# Altium PCB SoDeRa-PCIe_1v0.PcbDoc (part 1 of 8) (continued)
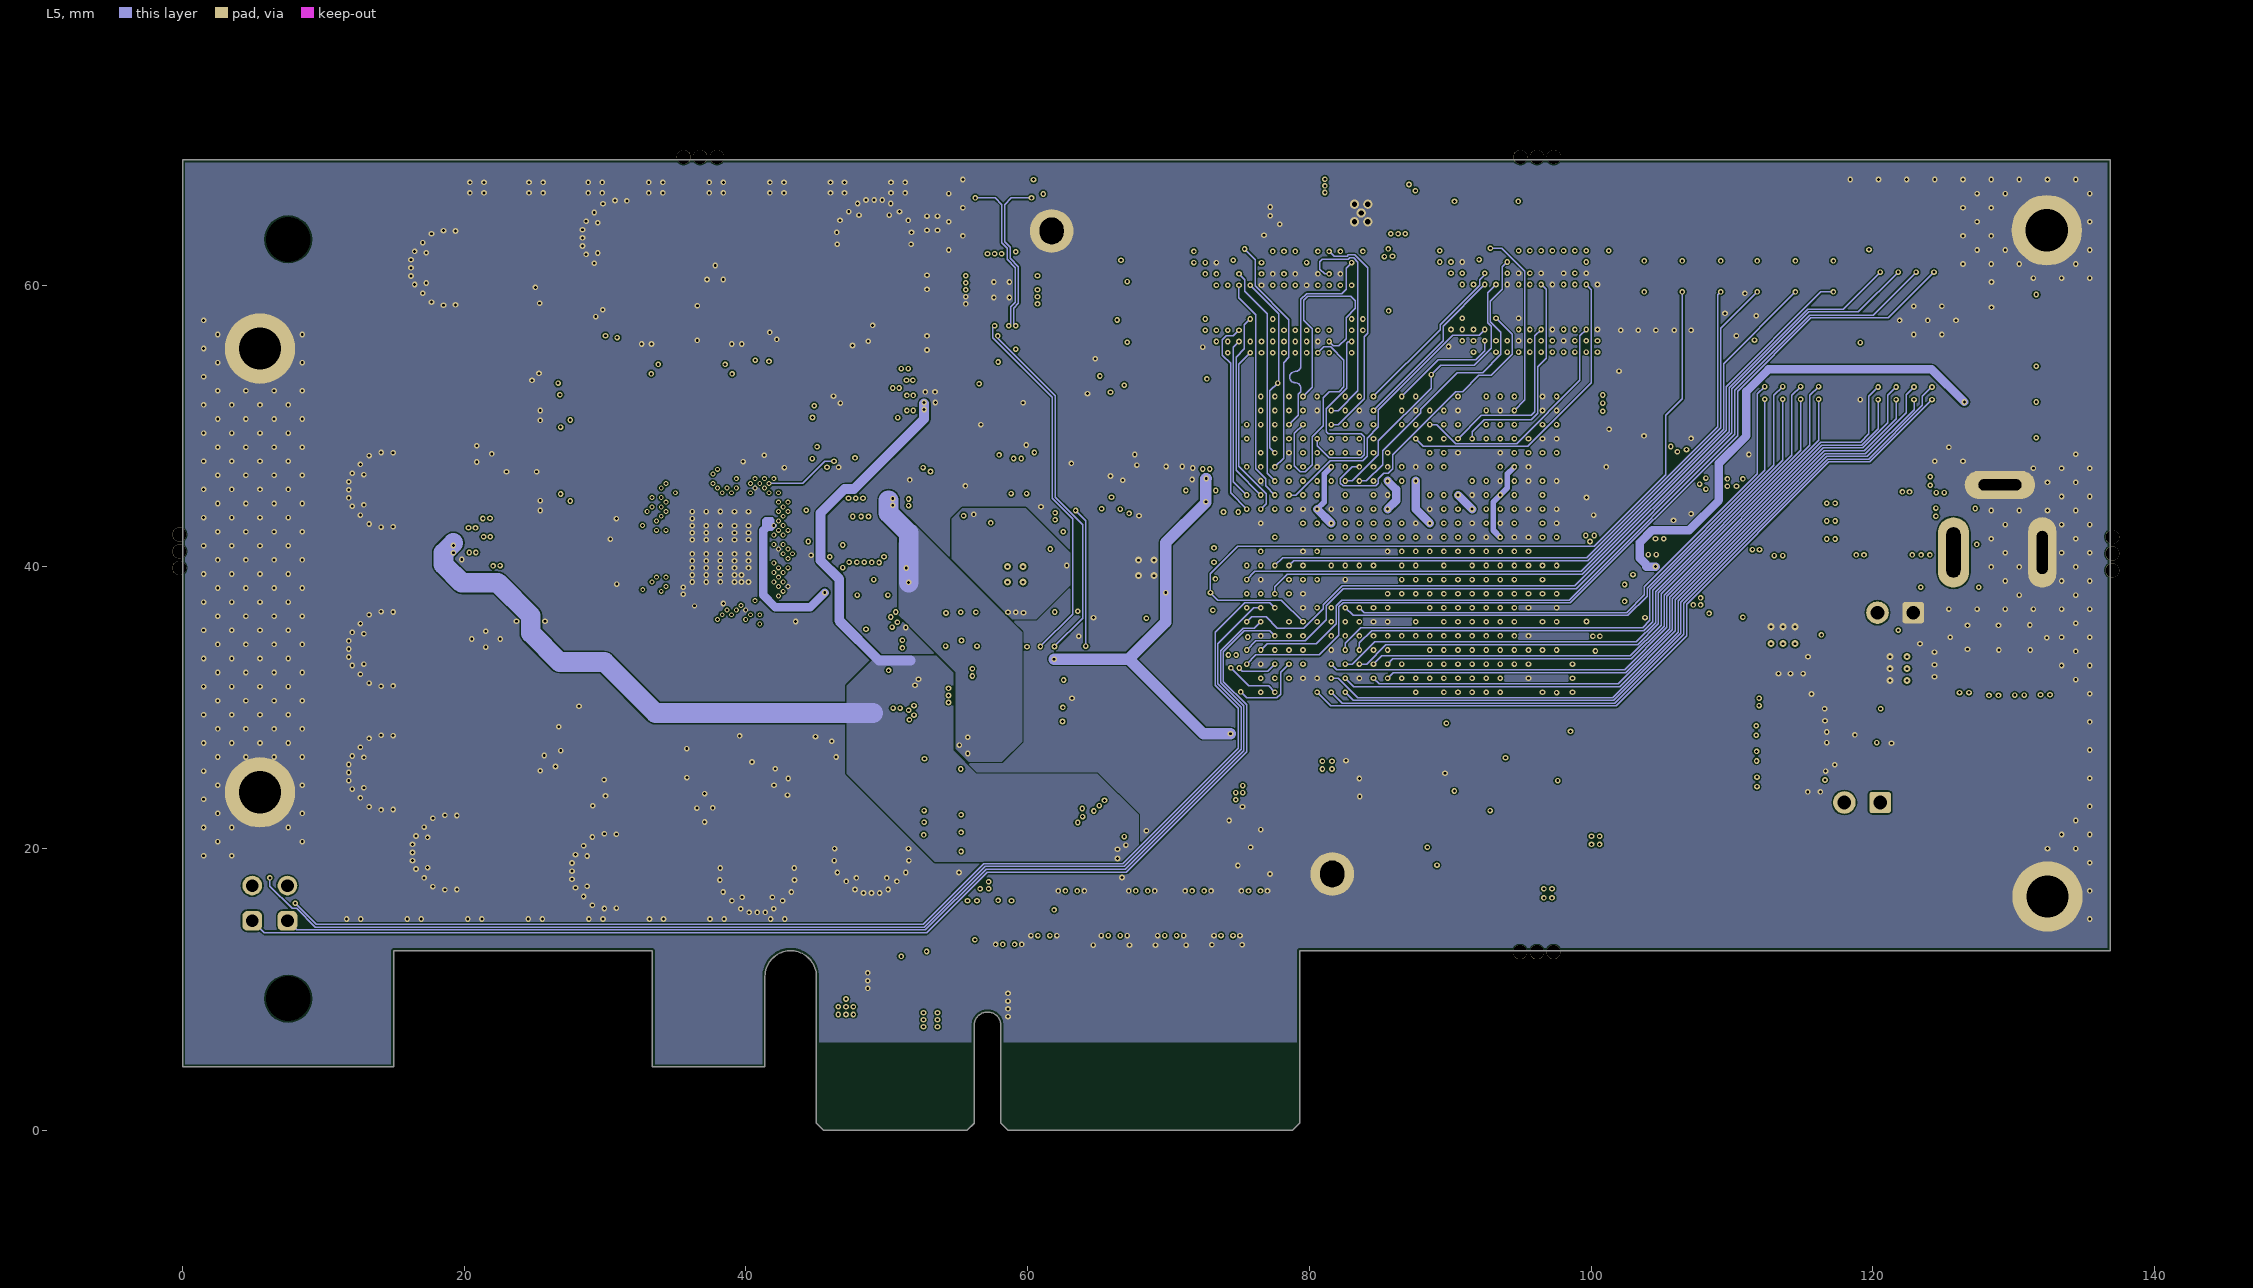
[diagram p5: L5]
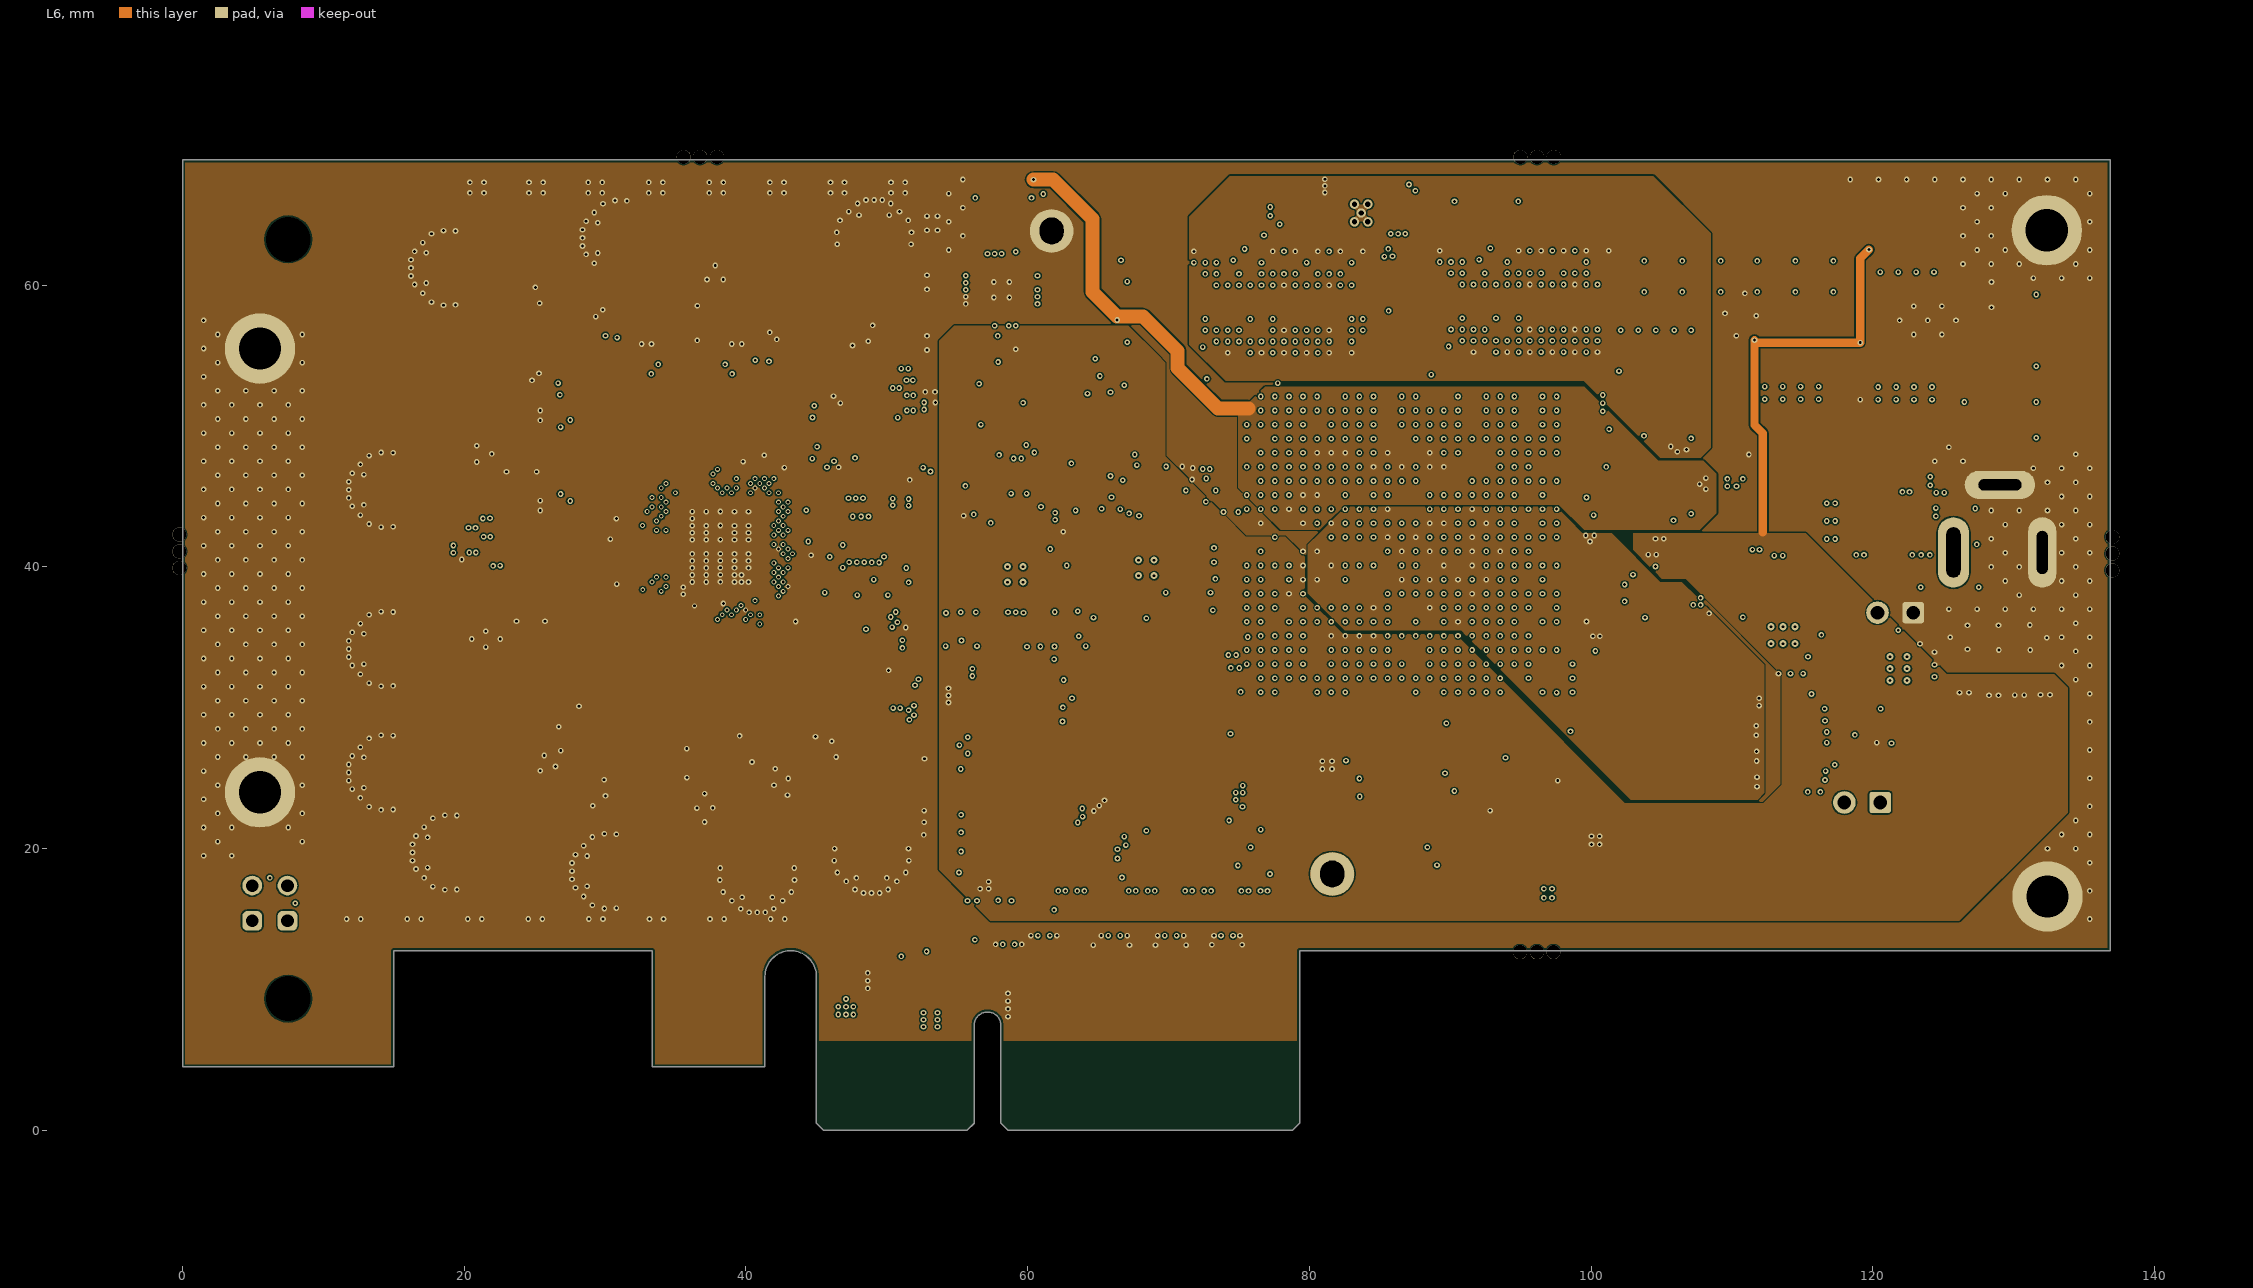
[diagram p6: L6]
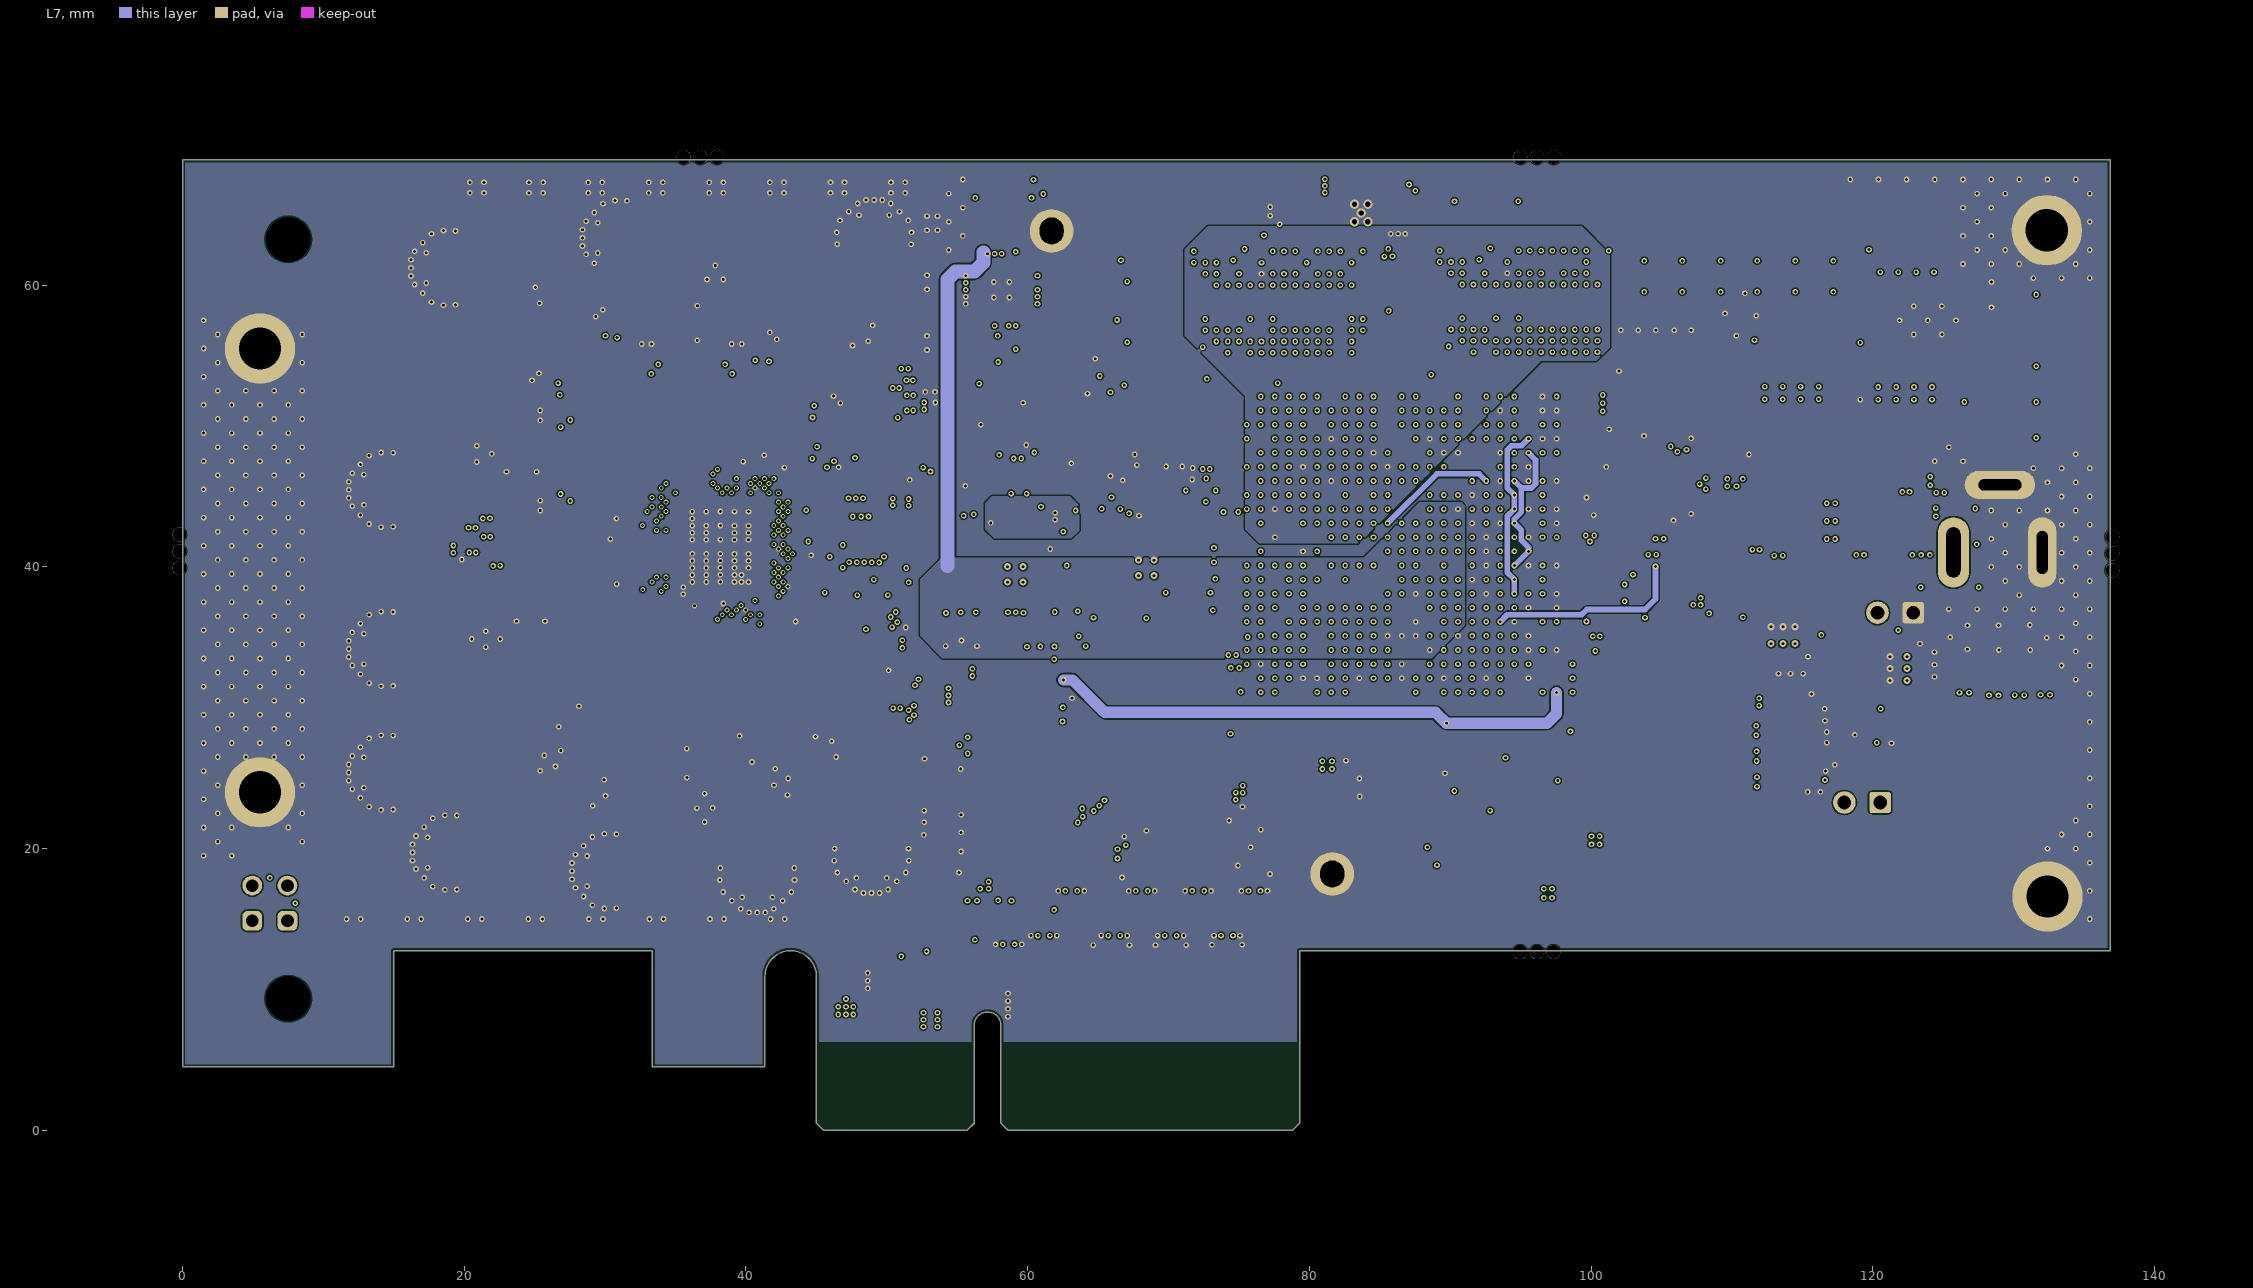
[diagram p7: L7]
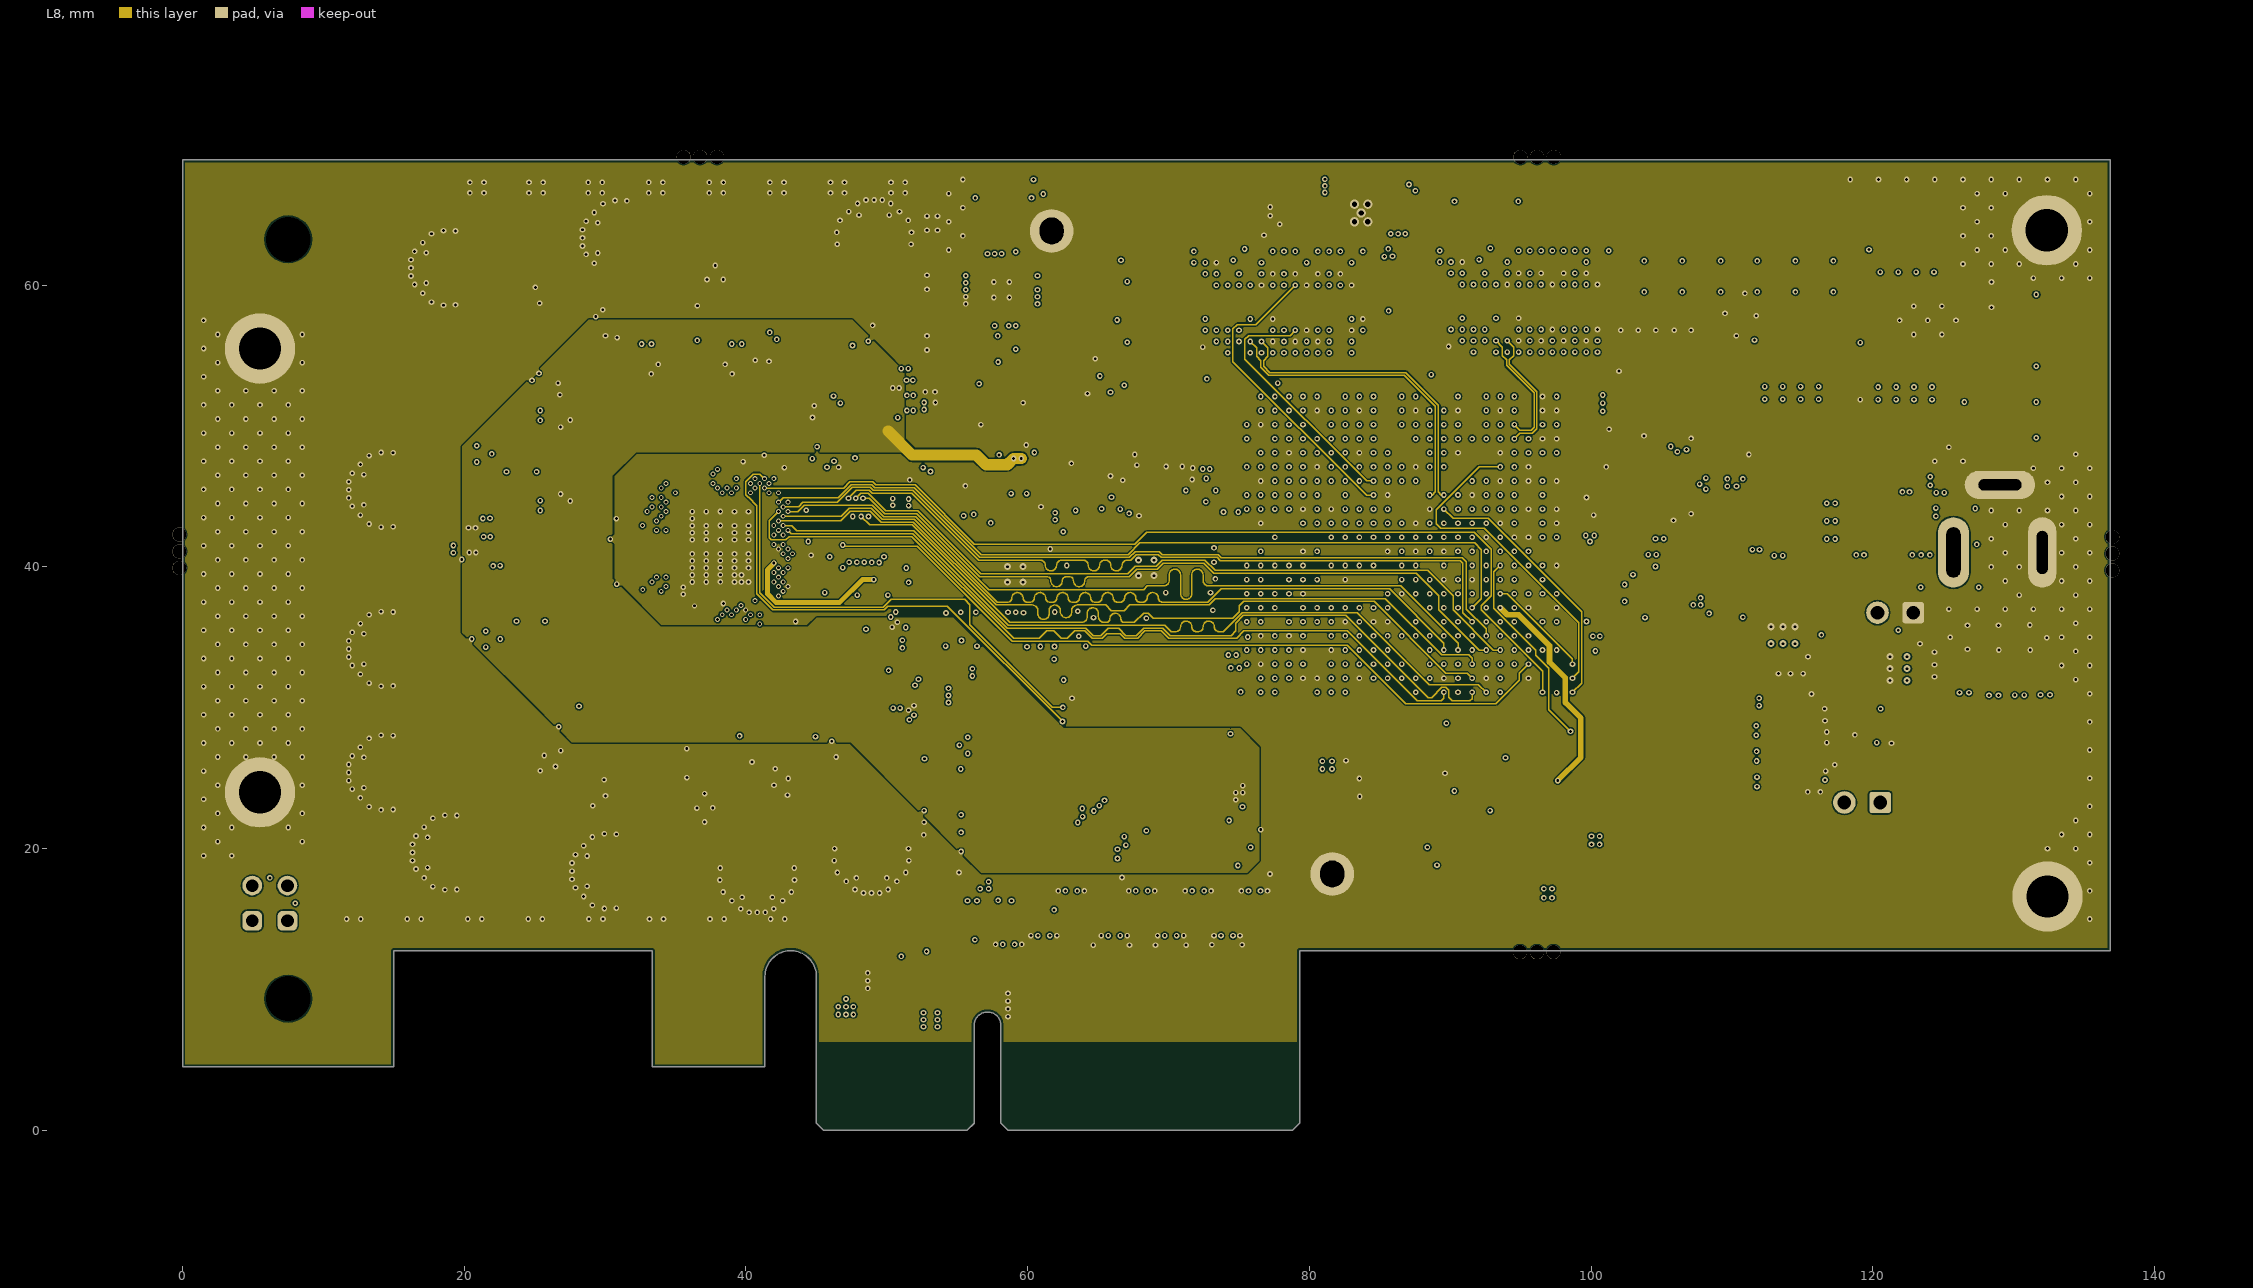
[diagram p8: L8]
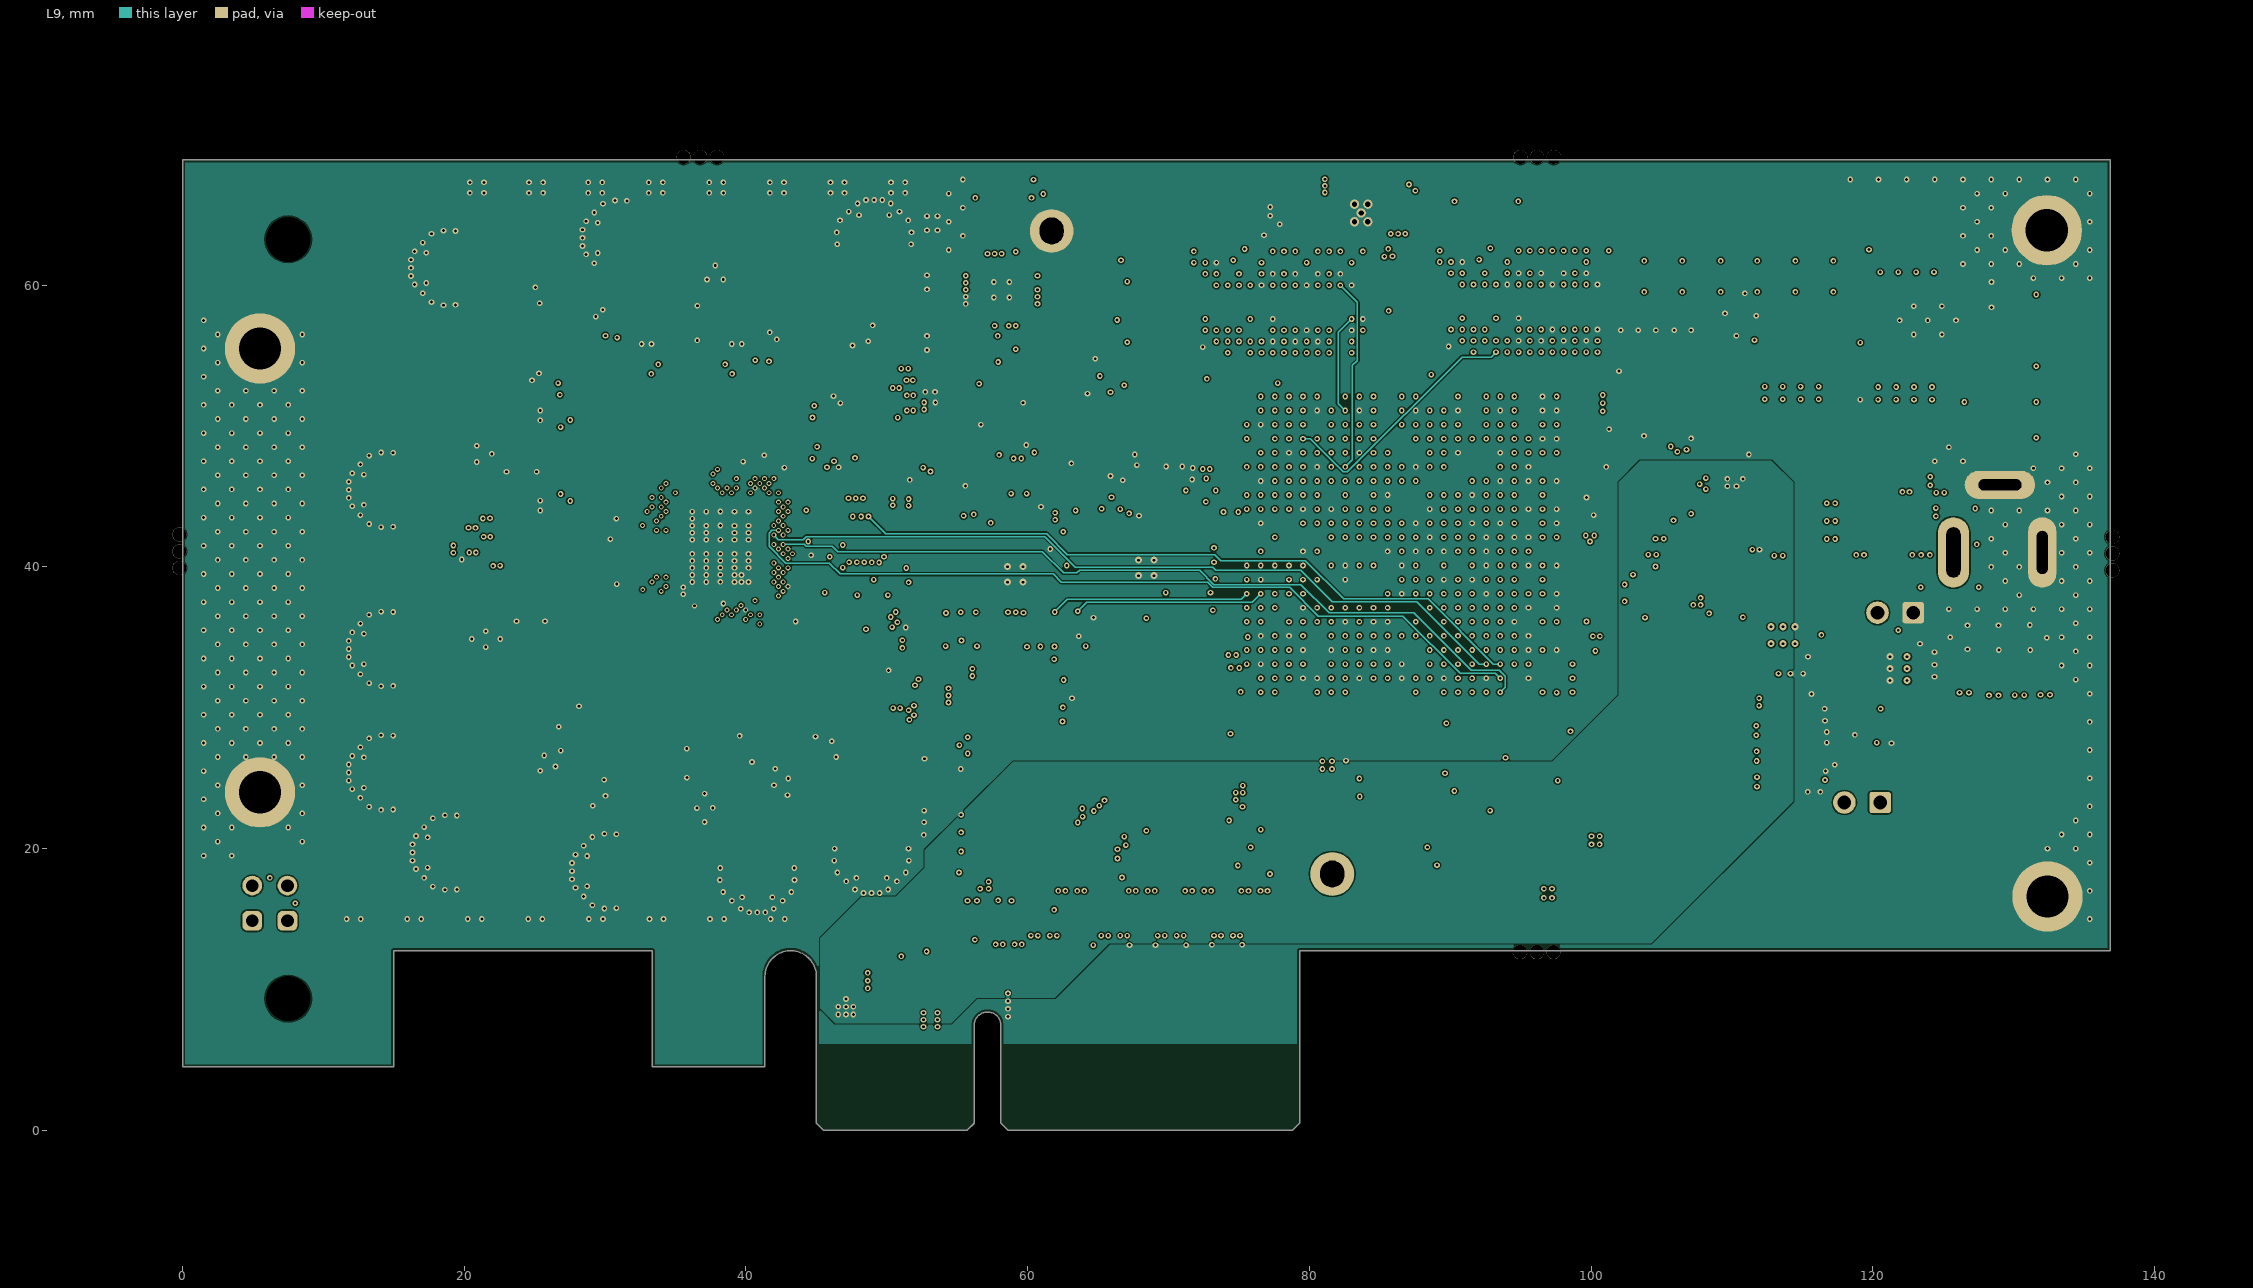
[diagram p9: L9]